# Altium PCB Bran_Main_Assay_PCB_v2_20170726.PcbDoc (part 4 of 5)
Units mil, origin at the board's own origin, x right, y up, seen from the top; angles counter-clockwise.
Board outline 3608.46 x 1899.79 mil, 6 copper layers (TOP, GND1, Singal, POWER, GND2, BOTTOM), stack 31.508 mil thick; 365 components, 289 nets, 1399 pads, 974 vias.
Unrouted connection lines stored in the file: 1.
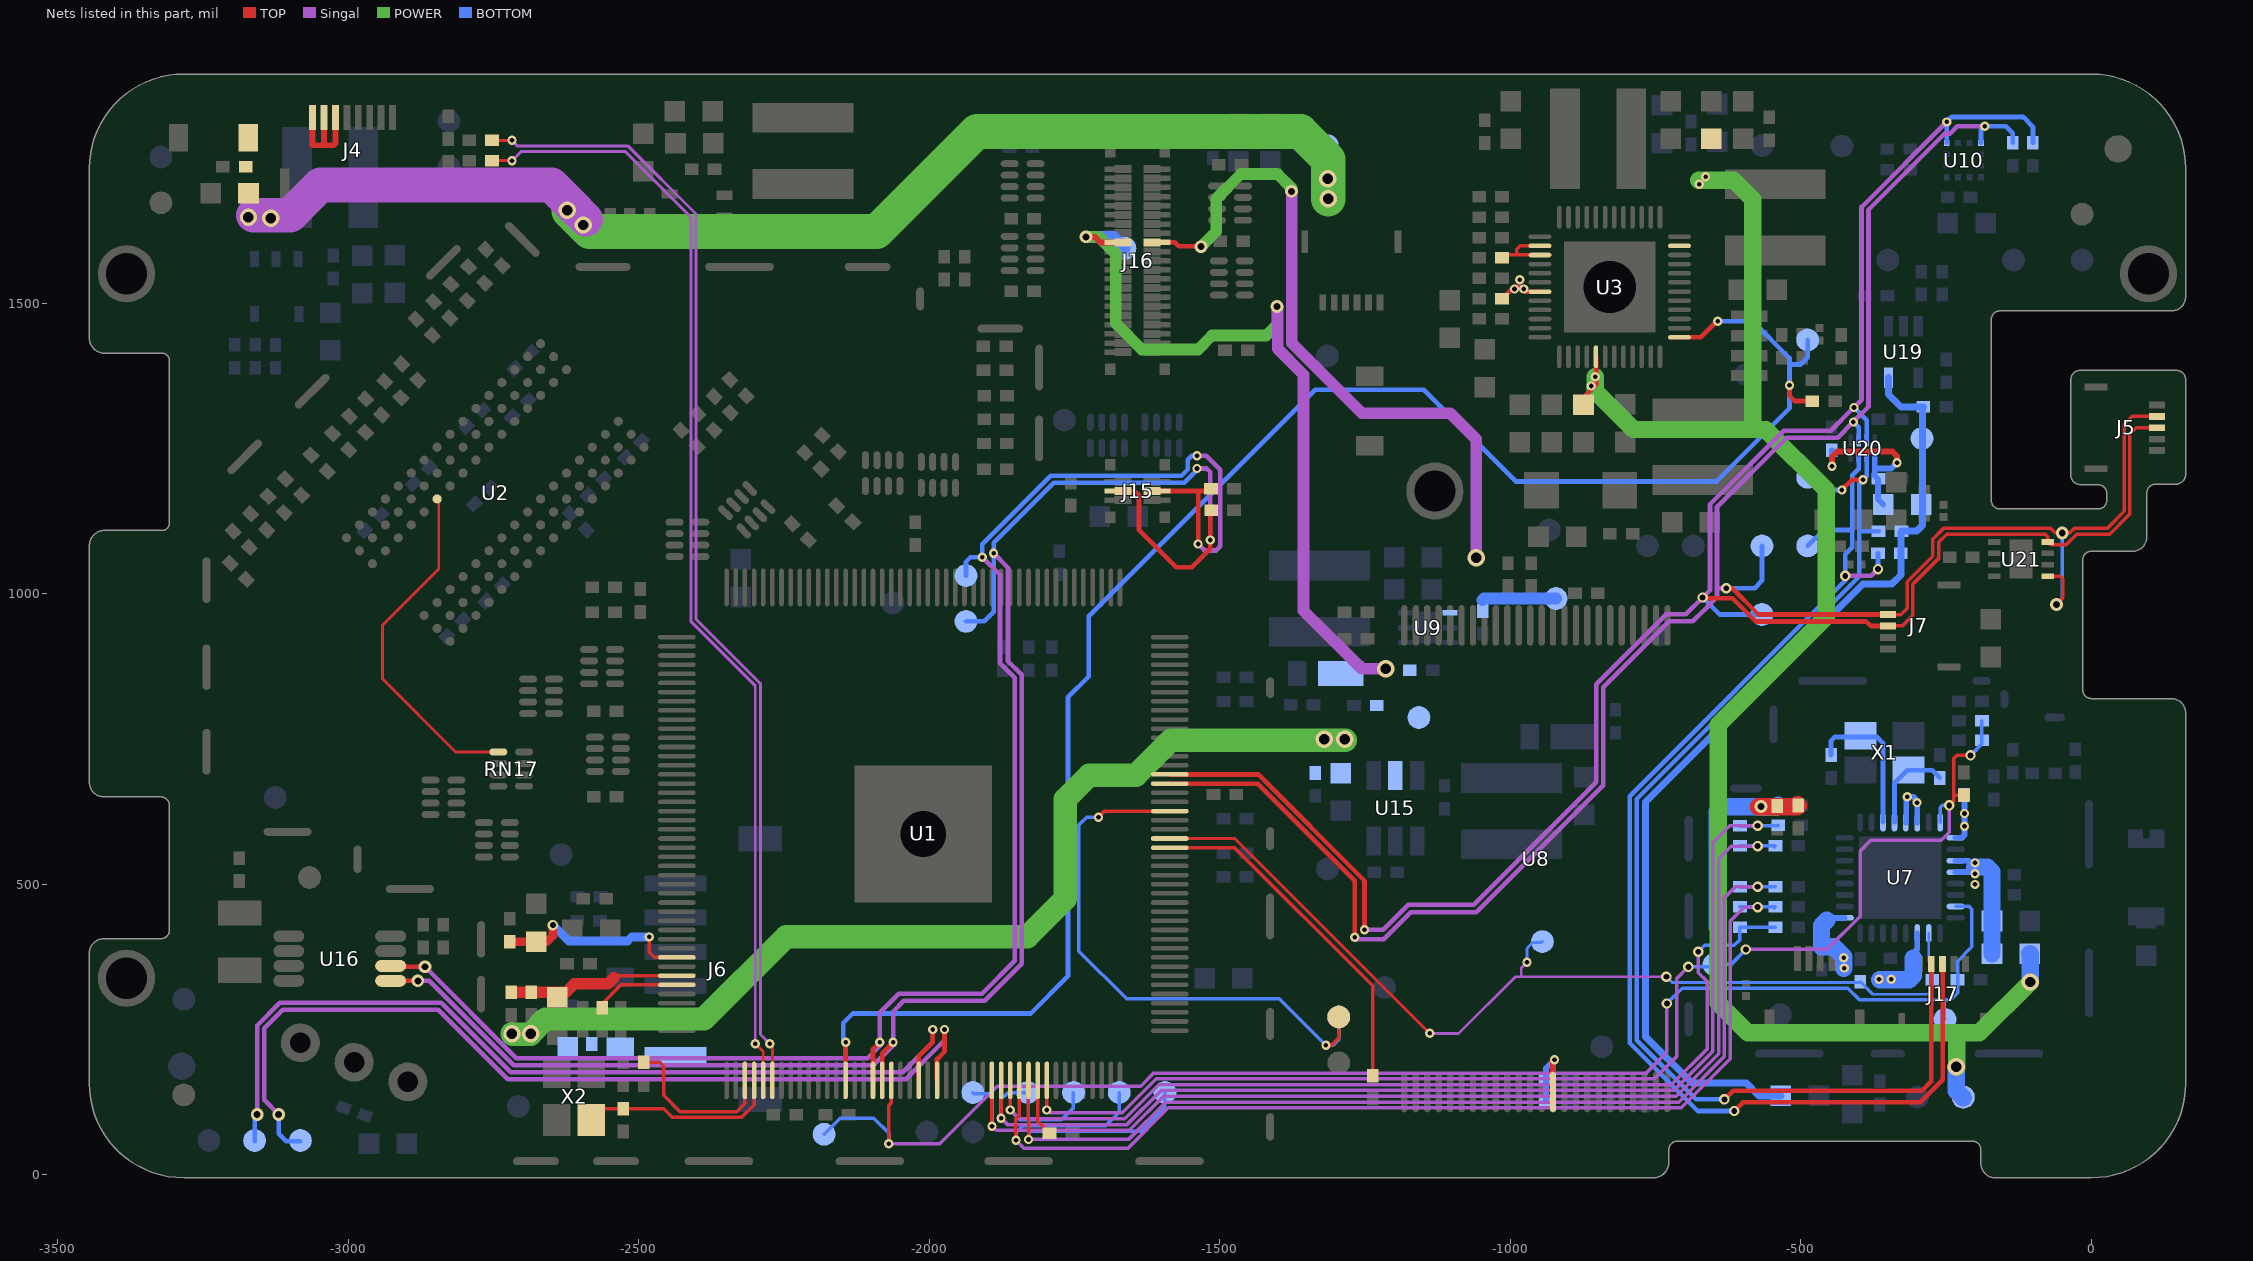
[diagram p8: the nets of this part, all layers, seen from the top]

## Via types
v1: diameter 16, hole 8, TOP to BOTTOM, tented both sides, 429 vias
v2: diameter 18, hole 10, TOP to BOTTOM, tented both sides, 255 vias
v3: diameter 22, hole 12, TOP to BOTTOM, tented both sides, 197 vias
v4: diameter 30, hole 18, TOP to BOTTOM, tented both sides, 69 vias
v5: diameter 24, hole 13, TOP to BOTTOM, tented both sides, 11 vias
v6: diameter 19.68, hole 7.87, TOP to BOTTOM, 9 vias
v7: diameter 22, hole 2, TOP to BOTTOM, tented both sides, 2 vias
v8: diameter 20, hole 10, TOP to BOTTOM, tented both sides, 1 vias
v9: diameter 17.99, hole 10, TOP to BOTTOM, tented both sides, 1 vias

## Nets (pads, with @x,y where several pads share a name; then routed paths per layer and width w, separated by ;. In a path a pad name is that pad's centre, name@x,y a point inside that pad or via, vN(x,y) a via of type N, cw(c..) or ccw(c..) an arc to the next point about the centre after c; other vN are vias at no path point) (continued)
TWI0-SDA: R7.2 TP6.1 U1.102 U3.1 | length 3082.6
  TOP w5: v1@-2144.29,228.03 v1(-2144.02,228.31)
  TOP w8: U1.102@-2144.29,162.71 v1@-2144.29,228.03 ; U3.1@-708.94,1441.69 -671.96,1441.69 -644.48,1469.17 v1(-643.16,1469.17) ; v1(-519.46,1359) -519.46,1341 -510.46,1332 R7.2@-480.15,1332 R7.2@-479.15,1332
  BOTTOM w8: v1(-2144.02,228.31) -2148.45,232.74 -2148.45,261.49 -2132.13,277.81 -1825.5,277.81 -1761.45,341.86 -1761.45,821.83 -1725.45,857.83 -1725.45,961.92 -1335.87,1351.5 -1148.81,1351.5 -990.94,1193.64 -645.15,1193.64 -519.46,1319.32 v1(-519.46,1359) -519.46,1395 ; v1(-643.16,1469.17) -582.63,1469.17 -519.46,1406 -519.46,1395 ; TP6.1@-488.19,1437.01 -488.19,1407.28 -500.46,1395 -519.46,1395
TWI1-SCK: J15.3 R6.2 TP28.1 U1.105 U16.6 | length 2972.4
  TOP w8: U16.6@-2927.25,359.83 U16.6@-2927.42,359.66 -2926.04,358.28 v3(-2868.18,358.28) ; U1.105@-2097.04,162.71 -2097.04,216.72 v1(-2085.45,228.31) ; J15.3@-1616.73,1177.17 J15.3@-1593.5,1177.17 -1518.71,1177.17 R6.2@-1515.13,1180.74 ; v1(-1537.45,1085.83) -1537.45,1176.17
  Singal w8: v3(-2868.18,358.28) -2710.73,200.83 -2106.45,200.83 -2085.45,221.83 v1(-2085.45,228.31) -2085.45,278.83 -2052.45,311.83 -1909.46,311.83 -1853.02,368.28 -1853.02,855.55 -1878.45,880.98 -1878.45,1032.74 v1(-1909.02,1063.31) ; v1(-1539.45,1237.83) -1523.45,1237.83 -1499.45,1213.83 -1499.45,1081.83 -1506.45,1074.83 -1526.45,1074.83 v1(-1537.45,1085.83)
  BOTTOM w8: TP28.1@-1937.01,1031.5 -1937.01,1055.46 -1929.16,1063.31 v1(-1909.02,1063.31) -1909.02,1085.42 -1790.85,1203.58 -1566.06,1203.58 -1555.45,1214.2 -1555.45,1230.83 -1548.45,1237.83 v1(-1539.45,1237.83)
TWI1-SDA: J15.4 R5.2 TP29.1 U1.106 U16.5 | length 3120.9
  TOP w5: J15.4@-1689.96,1177.17 J15.4@-1666.73,1177.17
  TOP w8: U16.5@-2925.89,335.59 U16.5@-2927.42,334.07 -2927.35,334 v3(-2880.46,334) ; U1.106@-2081.3,162.71 -2081.3,209.46 v1(-2062.45,228.31) ; J15.4@-1666.73,1177.17 -1646.36,1177.17 -1639.1,1169.91 -1639.1,1109.8 -1575.3,1045.99 -1548.07,1045.99 -1516.45,1077.61 v1(-1516.45,1092.83) -1516.45,1143.99 -1516.45,1146.43 R5.2@-1516.13,1146.74
  Singal w8: v3(-2880.46,334) -2860.87,334 -2715.7,188.83 -2096.45,188.83 -2062.45,222.83 v1(-2062.45,228.31) -2062.45,281.31 -2043.93,299.83 -1904.49,299.83 -1841.02,363.31 -1841.02,860.52 -1864.65,884.15 -1864.65,1045.02 v1(-1889.45,1069.83) ; v1(-1539.45,1215.83) -1522.45,1215.83 -1516.45,1209.83 v1(-1516.45,1092.83)
  BOTTOM w8: TP29.1@-1937.01,952.76 -1905.71,952.76 -1889.45,969.02 v1(-1889.45,1069.83) -1889.45,1088.02 -1785.88,1191.58 -1561.09,1191.58 -1539.45,1213.23 v1(-1539.45,1215.83)
TWI2-SCK: J5.3 J7.3 R4.2 TP35.1 U1.161 U10.1 U20.7 U21.4 | length 3948.1
  TOP w6: J7.3@-349.59,944.89 -325.37,944.89 -307,963.25 -307,1017 -263,1061 -263,1089 -249,1103 -79,1103 -74.74,1098.74 U21.4@-74.74,1089.53 -70.21,1085 -43,1085 -25,1103 31.68,1103 66.54,1137.86 66.54,1275 77.54,1286 J5.3@112.7,1286
  TOP w8: U1.161@-1586.22,689.28 -1433.69,689.28 -1251.02,506.61 v1(-1251.02,421.83) ; v2(-669.02,993.83) -667.52,992.33 -617.63,992.33 -577.87,952.57 -387.13,952.57 -379.45,944.89 J7.3@-349.59,944.89
  Singal w8: v1(-1251.02,421.83) -1219.04,421.83 -1176.05,464.83 -1062.98,464.83 -852.02,675.79 -852.02,844.42 -731.44,965 -697.85,965 v2(-669.02,993.83) -656.35,1006.51 -656.35,1154.12 -529.64,1280.83 -448.64,1280.83 v1(-408.46,1321) -395.46,1334 -395.46,1666 v1(-248.98,1812.49)
  BOTTOM w8: v2(-669.02,993.83) -639.75,964.57 TP35.1@-566.93,964.57 ; v1(-408.46,1321) -386.57,1299.11 U20.7@-386.57,1264.19 ; U10.1@-248.98,1776.35 v1(-248.98,1812.49) -240.46,1821 -117.45,1821 -100.45,1804 R4.2@-100.45,1776.51
TWI2-SDA: J5.2 J7.4 R3.2 TP36.1 U1.160 U10.4 U20.6 U21.1 | length 4410.2
  TOP w6: J7.4@-349.59,964.57 -349.02,964 -328,964 -317,975 -317,1021.14 -273,1065.14 -273,1094 -253.54,1113.46 -70.46,1113.46 -62,1105 v3(-50,1105) -37.14,1105 -28.68,1113.46 28,1113.46 56.54,1142 56.54,1292 70.22,1305.69 J5.2@112.7,1305.69 ; U21.1@-74.74,1030.47 -53.47,1030.47 -49,1026 -49,993 v3(-60,982)
  TOP w8: U1.160@-1586.22,673.53 -1434.91,673.53 -1268.02,506.64 v1(-1268.02,408.83) ; v2(-628.45,1009.83) -618.15,1009.83 -572.89,964.57 J7.4@-349.59,964.57
  Singal w5: -1057.91,450.8 -839.02,669.7 -839.02,690.26
  Singal w8: v1(-1268.02,408.83) -1265.02,405.83 -1218.07,405.83 -1171.6,452.3 -1058.53,452.3 -840.02,670.82 -840.02,839.45 -726.46,953 -685.81,953 -666.45,972.36 ; -654.22,984.59 -666.45,972.36 ; v2(-628.45,1009.83) -644.35,1009.83 ; v1(-183.46,1805) -230.46,1805 -242.96,1792.5 -251.99,1792.5 -383.46,1661.03 -383.46,1322 v1(-409.46,1296) -436.64,1268.83 -524.64,1268.83 -644.35,1149.12 -644.35,1009.83 ; -666.45,972.36 -666.45,971.83 -644.35,993.94 -644.35,1009.83
  BOTTOM w6: v3(-60,982) -50,992 v3(-50,1105)
  BOTTOM w8: v2(-628.45,1009.83) -579.64,1009.83 -566.93,1022.54 TP36.1@-566.93,1082.68 ; v1(-409.46,1296) -400.35,1286.89 U20.6@-400.35,1264.19 ; U10.4@-189.92,1776.35 -189.92,1799 -183.92,1805 v1(-183.46,1805) -147.46,1805 -135.45,1792.98 R3.2@-135.45,1776.51
UART0_RX: TP55.1 U1.112 | length 1607
  TOP w8: U1.112@-1986.81,162.71 -1986.81,199.38 -1974.02,212.17 v1(-1974.02,250.31)
  Singal w8: v3(-3119.94,103.99) -3144.94,128.99 -3144.94,252.2 -3112.84,284.31 -2845.12,284.31 -2725.64,164.83 -2041.02,164.83 -1974.02,231.83 v1(-1974.02,250.31)
  BOTTOM w8: v3(-3119.94,103.99) -3119.94,70.99 -3107.11,58.16 TP55.1@-3082.68,58.16
UART0_TX: TP54.1 U1.110 | length 1570.2
  TOP w8: U1.110@-2018.3,162.71 -2018.3,204.02 -1994.02,228.31 v1(-1994.02,250.31)
  Singal w8: v3(-3156.94,103.99) -3156.94,257.17 -3117.81,296.31 -2840.15,296.31 -2720.67,176.83 -2045.99,176.83 -1994.02,228.81 v1(-1994.02,250.31)
  BOTTOM w8: TP54.1@-3161.42,58.16 TP54.1@-3161.42,59.06 -3161.42,99.52 v3(-3156.94,103.99)
UBOOT: TP3.1 TP57.1 U1.157 | length 994.5
  TOP w6: v1(-1709.02,615.83) -1698.55,626.29 U1.157@-1586.22,626.29 ; -1308.32,222.64 -1295.28,235.69 TP3.1@-1295.28,271.65
  BOTTOM w6: v1(-1709.02,615.83) -1729.02,615.83 -1742.65,602.2 -1742.65,385.18 -1660.46,303 -1397.46,303 v1(-1317.46,223) -1304.94,223 -1295.28,232.66 TP57.1@-1295.28,270.76
USB0-DM: R157.2 U1.93 | length 1933.3
  TOP w5: R157.2@-2752.76,1745.74 v1(-2718.45,1745.74) ; v1(-2299.65,225.83) -2286.02,212.2 U1.93@-2286.02,162.71
  Singal w5: v1(-2718.45,1745.74) -2702.45,1761.74 -2523.45,1761.74 -2410.65,1648.94 -2410.65,952.83 -2299.65,841.83 v1(-2299.65,225.83)
USB0-DP: R158.2 U1.94 | length 1949.3
  TOP w5: R158.2@-2752.76,1780.74 v1(-2718.45,1780.74) ; v1(-2274.65,225.83) -2270.27,221.45 U1.94@-2270.27,162.71
  Singal w5: v1(-2718.45,1780.74) -2708.45,1770.74 -2518.45,1770.74 -2401.65,1653.94 -2401.65,956.55 -2290.65,845.55 -2290.65,241.83 v1(-2274.65,225.83)
USB0-IDET: R99.1 U1.153 | length 602.7
  TOP w6: U1.153@-1586.22,563.3 -1474.77,563.3 -1237.02,325.55 R99.1@-1237.02,170.52
USBVBUS: C145.2 C146.2 D6.1 J4.1 J4.2 J4.3 R15.1 TP33.1 U3.31 | length 2354.7
  TOP w8: R15.1@-1014.33,1508.31 -995.3,1527.34 -994.33,1528.31 -992.94,1528.31 -981.89,1528.31 -981.89,1527.22 -978.3,1523.63 -975.1,1520.43 U3.31@-949.09,1520.43
  TOP w10: J4.1@-3061.73,1820.08 -3061.73,1772.46 -3025.73,1772.46 -3022.36,1775.83 J4.3@-3022.36,1820.08 ; -3042.05,1774.14 J4.2@-3042.05,1820.08
  Singal w60: v4@-3163.45,1651.74 -3133.45,1651.74 -3100.46,1651.74 -3048.46,1703.74 -2650.2,1703.74 -2615.06,1668.59 v4@-2591.46,1645
  POWER w60: v4@-2620.46,1659 -2595.96,1634.5 -2585.2,1623.74 -2090.72,1623.74 -1918.46,1796 -1361.47,1796 -1313.46,1747.99 -1313.46,1715 v4(-1313.46,1680)
  other v1: -992.94,1524.99 -976.94,1524.99 -983.94,1540.99
  other v4: -2595.46,1635 -3133.45,1646.83 -3172.02,1648.31 -2623.08,1660.56 -1313.98,1715
VCC-5V: C158.2 C159.1 C226.1 C228.1 D14.1 J6.1 R189.2 TP34.1 U15.5 | length 1744.1
  POWER w40: v4(-2718.46,243) -2717.46,242 v4@-2686.46,242 ; v4(-2686.46,243) -2660.96,268.5 -2387.96,268.5 -2246.46,410 -1831.29,410 -1766.02,475.28 -1766.02,646.56 -1724.75,687.83 -1644.46,687.83 -1584.3,747.99 -1320.3,747.99 -1285.3,747.99 v4@-1284.3,747.99
  other v4: -1320.3,749.99 -1285.3,749.99
VCC-WIFI-3V3: C174.1 C175.1 C176.1 C243.2 C246.1 C247.1 C250.1 R176.2 R179.1 R200.1 R201.1 R204.2 R205.2 R206.2 R207.2 R208.2 U7.1 U7.3 U7.4 U7.11 U7.17 U7.29 U7.30 | length 1106.8
  TOP w30: v3@-572.94,633.99 -568.5,633.99 -540.54,633.99 -506.16,633.99 R201.1@-504.46,635.68 R201.1@-505.78,637
  BOTTOM w10: -455.46,438 -451.06,442.41 U7.17@-424.49,442.41 ; U7.29@-319.17,606.78 -318.45,607.5 -318.45,650.74 -317.02,650.74 -306.45,650.74 -299.49,643.78 -299.49,640.83 U7.30@-299.49,606.78 ; C246.1@-313.15,371.37 -314.78,373 -310.7,377.08 -299.49,388.29 U7.11@-299.49,415.83 ; U7.4@-233.54,521.15 -209.31,521.15 -206.14,524.33 -200.46,530 -203.88,533.41 -211.3,540.83 U7.3@-233.54,540.83 ; U7.1@-233.54,580.2 -223.26,580.2 -218.3,585.17 -218.46,585.33 -218.46,599.99 -218.46,621.99 C175.1@-218.46,654.32
  BOTTOM w30: R208.2@-644.16,426.31 R207.2@-644.16,461.31 R179.1@-644.15,496.31 R206.2@-644.16,566.31 R205.2@-644.16,601.31 -644.16,625.31 -635.91,633.56 -568.5,633.56 -541.2,633.56 R204.2@-538.59,636.17 ; -455.46,438 -464.46,429 C250.1@-464.46,392.68 -443.3,392.68 -426.31,375.69 v1(-426.3,373.99) v1@-426.31,355.99 ; v1@-364.46,336 -344.46,336 R200.1@-313.15,336 -306.61,342.54 C246.1@-306.61,372.99 ; v1@-200.46,530 -200.3,530 -179.46,530 -170.96,521.5 -170.96,517 -170.96,482 C174.1@-170.96,437 R176.2@-170.96,381
  other v1: -365.46,337 -344.46,337 -425.3,355.99 -200.3,499.99 -200.3,518.49 -200.3,536.99 -218.3,599.99 -218.3,621.99 -300.02,640.83 -317.02,650.83
  other v3: -568.5,634.27
VCCA: C242.1 R195.1 R209.2 U20.1 | length 305.8
  TOP w10: v1(-446.46,1220) -446.46,1236 -437.46,1245 -342.46,1245 -334.46,1237 v1(-334.46,1226)
  BOTTOM w10: v1(-446.46,1220) R209.2@-446.46,1247.31 ; U20.1@-372.8,1237.81 -372.8,1216 ; R195.1@-357.96,1154 -366.96,1163 -366.96,1197.18 -372.8,1203.02 -372.8,1216 ; v1(-334.46,1226) -344.46,1216 -372.8,1216
VINT: C60.1 U3.26 U3.27 | length 119.6
  TOP w6: C60.1@-1014.33,1578.31 -1009.21,1583.43 -989.02,1583.43 ; U3.27@-949.09,1583.43 -989.02,1583.43 ; U3.26@-949.09,1599.17 -983.15,1599.17 -989.02,1593.31 -989.02,1583.43
VLED+: C116.2 D12.1 J16.18 TP25.1 | length 1396.8
  TOP w10: v3(-1730.45,1614.74) -1715.45,1614.74 -1705.83,1605.12 J16.18@-1689.96,1605.12 J16.18@-1666.73,1605.12
  Singal w20: v3(-1401.45,1494.74) -1400.45,1493.74 -1400.45,1422.07 -1355.95,1377.57 -1355.95,971 -1255.95,871 v4(-1214.46,871)
  POWER w20: v3(-1730.45,1614.74) -1708.45,1614.74 -1679.45,1585.74 -1679.45,1465.74 -1634.45,1420.74 -1537.45,1420.74 -1513.45,1444.74 -1420.45,1444.74 -1401.45,1463.74 v3(-1401.45,1494.74)
  BOTTOM w20: v3(-1730.45,1614.74) -1683.2,1614.74 TP25.1@-1663.46,1595
VLED-: J16.17 R50.2 TP27.1 U9.1 | length 1325.9
  TOP w8: J16.17@-1616.73,1605.12 J16.17@-1593.5,1605.12 -1577.55,1605.12 -1570.67,1598.24 -1532.95,1598.24 v3(-1532.45,1597.74)
  Singal w20: v3(-1376.46,1693) -1376.45,1432.02 -1255.43,1311 -1103.46,1311 -1058.46,1266 v4(-1058.46,1062) v4@-1058.46,1060
  POWER w20: v3(-1532.45,1597.74) -1506.45,1623.74 -1506.45,1680.02 -1463.72,1722.74 -1400.69,1722.74 -1376.46,1698.51 v3(-1376.46,1693)
  BOTTOM w20: -1048.46,989 -1045.34,992.13 TP27.1@-921.26,992.13
VOC_1V8: C236.1 R195.2 R196.1 R197.1 R198.2 TP46.1 U19.5 | length 1698.2
  BOTTOM w12: R198.2@-534.44,135.99 -571.94,135.99 -593.95,158 -687.68,158 -767.46,237.79 -767.46,642.2 -392.67,1017 -343.46,1017 -327.78,1032.68 R197.1@-327.78,1070 R196.1@-327.78,1107 ; U19.5@-349.06,1372.32 -349.06,1343.59 -327.46,1322 C236.1@-289.15,1322 -291.31,1319.84 -290.96,1319.5 -290.96,1267.72 -290.96,1154 -290.96,1117.5 -300.46,1108 R196.1@-326.78,1108
VOC_SCL: J17.2 R196.2 TP47.1 U20.2 | length 2077.8
  TOP w8: v2(-631.46,130) -616.46,145 -291.46,145 -275.59,160.87 J17.2@-275.59,363.19 ; v1(-429.3,1178.99) -411.85,1196.44 v1(-393.02,1196.44)
  BOTTOM w8: v2(-631.46,130) -680.46,130 -782.46,232 -782.46,647 -399.46,1030 -399.46,1190 v1(-393.02,1196.44) -386.57,1202.89 U20.2@-386.57,1237.81 ; TP47.1@-488.19,1200.79 -466.39,1178.99 v1(-429.3,1178.99) ; -398.46,1108 R196.2@-366.15,1108
VOC_SDA: J17.3 R197.2 TP48.1 U20.3 | length 2160.4
  TOP w8: v2(-614.46,110) -599.46,125 -294.49,125 -255.91,163.59 J17.3@-255.91,363.19
  Singal w8: v2(-423.46,1031) -378.83,1031 v2(-367.15,1042.69)
  BOTTOM w8: v2@-615.46,110 -677.44,110 -794.46,227.03 -794.46,651.97 -423.96,1022.47 -423.96,1031 -423.96,1032.5 v2@-423.46,1033 ; TP48.1@-488.19,1082.68 -460.87,1110 -411.46,1110 ; v2(-423.46,1031) v2@-423.46,1033 ; U20.3@-400.35,1237.81 -400.35,1215.11 -411.46,1204 -411.46,1110 ; v2(-367.15,1042.69) R197.2@-367.15,1070 ; v2@-423.46,1033 -423.46,1068 -411.46,1080 -411.46,1110
VPS: R32.2 R35.1 U8.38 | length 132.7
  TOP w10: U8.38@-926.5,142.68 -926.5,195.83 v1(-924.02,198.31)
  BOTTOM w10: R35.1@-938.7,128.31 R32.2@-938.7,163.31 -938.7,183.62 v1(-924.02,198.31)
VRA1: C1.2 U1.83 | length 152.2
  TOP w6: C1.2@-2565.65,285.51 -2565.65,287.68 -2565.65,292.29 -2530.85,327.08 U1.83@-2434.64,327.08
VRA2: C4.2 C5.2 R1.2 U1.82 | length 315.8
  TOP w6: -2542.96,339.01 -2539.14,342.83 U1.82@-2434.64,342.83
  TOP w20: R1.2@-2719.94,314.41 -2685.31,314.41 -2640.78,314.41 C4.2@-2625.53,314.41 ; C4.2@-2640.78,306.13 -2633.8,306.13 C4.2@-2625.53,314.41 ; -2542.96,339.01 -2552.98,328.99 -2610.94,328.99 C4.2@-2625.53,314.41
VRP: C2.2 C3.2 U1.80 | length 354.7
  TOP w6: v1(-2482.02,409.63) -2482.43,409.22 -2482.43,383.31 -2473.44,374.32 U1.80@-2434.64,374.32
  TOP w15: C3.2@-2721.94,401.31 -2676.94,401.31 -2658.63,401.31 -2647.94,411.99 v2(-2647.94,429.99)
  BOTTOM w15: v2(-2647.94,429.99) -2620.5,402.54 -2519.5,402.54 -2512.41,409.63 v1(-2482.02,409.63)
WE: RN17.1 U2.L3 | length 602.4
  TOP w5: U2.L3@-2847.28,1163.41 -2844.43,1160.56 -2844.43,1042.92 -2941.43,945.92 -2941.43,853.91 -2815.55,728.03 RN17.1@-2742.03,728.03
WI-FI_EN: R180.1 TP44.1 TP87.1 U1.107 U7.7 | length 2496.4
  TOP w6: v1(-2070.02,53.83) -2070.02,119.37 -2065.55,123.83 U1.107@-2065.55,162.71
  Singal w6: v1(-2070.02,53.83) -1982.14,53.83 -1883.14,152.83 -1636.11,152.83 -1613.62,175.33 -766.14,175.33 -730.46,211 v2(-730.46,295)
  BOTTOM w6: TP87.1@-2181.1,69.97 -2153.53,97.54 -2095.49,97.54 -2070.02,72.06 v1(-2070.02,53.83) v1@-2070.02,51.74 ; v2(-730.46,295) -703.96,321.5 -418.96,321.5 -398.96,301.5 -253.46,301.5 ; TP44.1@-252.46,256.4 TP44.1@-251.97,255.91 ; TP44.1@-251.97,267.72 -253.46,269.21 -253.46,301.5 ; U7.7@-233.54,462.09 -210.56,462.09 -205.46,457 -205.46,392.68 -230.15,367.99 R180.1@-230.15,336 -230.15,313.32 -241.96,301.5 -253.46,301.5
WIFI_3V3: C63.2 C69.2 R176.1 TP51.1 U3.11 U3.41 | length 2810.8
  TOP w8: C63.2@-874.02,1325.81 -874.02,1338.31 -857.64,1354.68 -852.39,1359.94 -852.39,1373.99 -852.39,1407.98 U3.41@-852.64,1408.23
  POWER w30: v1(-853.94,1373.99) -853.94,1357.99 -853.94,1348.99 -787.95,1283 -577.46,1283 ; v1@-675.76,1711.81 -674.94,1711.81 -663.94,1711.81 -615.27,1711.81 -582.46,1679 -582.46,1288 -577.46,1283 ; v4@-231.94,184.99 -231.94,186 -231.94,244.83 ; v4(-105.46,332) -192.64,244.83 -231.94,244.83 ; -577.46,1283 -560.46,1283 -456.46,1179 -456.46,961 -642.46,775 -642.46,295.82 -591.48,244.83 -231.94,244.83
  BOTTOM w30: v4(-232.46,186) -232.46,144.95 -220.92,133.41 TP51.1@-220.47,132.96 ; R176.1@-105.96,381 -105.46,380.5 v4(-105.46,332)
  other v1: -860.94,1357.99 -674.94,1704.99 -663.94,1717.99
WL-RESTN: C244.2 C245.1 R202.1 TP45.1 U1.124 U7.32 | length 2242.4
  TOP w6: v1(-1797.83,111.73) U1.124@-1797.83,162.71 ; v2(-244.46,636) -237.15,643.31 -237.15,653.31 ; C244.2@-219.46,653.31 -237.15,653.31 ; v2(-207.94,721.99) -231.47,721.99 -237.15,716.31 -237.15,653.31
  Singal w6: v1(-1797.83,111.73) -1792.83,106.73 -1668.07,106.73 -1609.48,165.33 -751.94,165.33 -713.94,203.33 -713.94,337.52 v2(-693.46,358) ; v2(-594.46,388) -455.29,388 -397.96,445.33 -397.96,557.5 -379.46,576 -258.46,576 -244.46,590 v2(-244.46,636)
  BOTTOM w6: v2@-695.46,358 v2(-693.46,358) -653.81,358 TP45.1@-649.61,362.2 -620.26,362.2 v2(-594.46,388) ; U7.32@-260.12,606.78 -260.12,632.35 -256.46,636 v2(-244.46,636) ; v2(-207.94,721.99) -188.26,741.68 C245.1@-188.26,747.99 R202.1@-188.26,781.99
WL-SDIO-CLK: R171.1 U1.123 | length 99.2
  TOP w6: U1.123@-1813.58,162.71 -1813.58,92.43 R171.1@-1793.15,72
WL-SDIO-CMD: R170.1 R179.2 TP42.1 U1.122 | length 2053.4
  TOP w6: v1@-1832.83,64.5 v1(-1829.33,61) ; v1@-1829.33,59.86 v1(-1829.33,61) ; U1.122@-1829.33,162.71 -1829.46,162.58 -1829.46,93.86 -1829.33,93.73 v1(-1829.33,61)
  Singal w6: v1(-1829.33,61) -1657.24,61 -1592.91,125.33 -710.28,125.33 -631.46,204.14 -631.46,477 -612.46,496 v2(-574.46,496)
  BOTTOM w6: v1(-1829.33,61) -1829.33,71.14 -1825.46,75 -1635.46,75 -1594.8,115.66 -1594.49,115.66 TP42.1@-1594.49,141.73 ; R179.2@-604.78,496.31 -574.46,496.31 R170.1@-543.7,496.31
WL-SDIO-D0: R172.1 R206.1 TP41.1 U1.118 | length 1949.3
  TOP w6: v1(-1892.32,83.73) U1.118@-1892.32,162.71
  Singal w6: v1(-1892.32,83.73) -1885.32,76.73 -1655.65,76.73 -1597.05,135.33 -714.42,135.33 -641.46,208.28 -641.46,544 -619.46,566 v2(-574.46,566)
  BOTTOM w6: TP41.1@-1925.2,141.73 -1923.46,140 -1899.46,140 -1892.32,132.85 v1(-1892.32,83.73) ; R206.1@-604.79,566.31 -574.46,566.31 R172.1@-543.7,566.31 R172.1@-546.18,563.83
WL-SDIO-D1: R173.1 R205.1 TP40.1 U1.119 | length 1952.7
  TOP w6: v1@-1876.57,93.85 v1(-1876.57,97.73) U1.119@-1876.57,162.71
  Singal w6: v1(-1876.57,97.73) -1865.57,86.73 -1659.79,86.73 -1601.2,145.33 -718.56,145.33 -651.46,212.43 -651.46,572 -622.46,601 v2(-574.46,601) v2@-573.46,601
  BOTTOM w6: v1@-1879.02,100.18 v1(-1876.57,97.73) -1876.57,129.9 -1864.73,141.73 TP40.1@-1830.71,141.73 ; R205.1@-604.79,601.31 -574.46,601.31 -539,601.31 R173.1@-538.77,601.54
WL-SDIO-D2: R168.1 R208.1 TP39.1 U1.120 | length 1793.2
  TOP w6: v1(-1860.82,111.73) U1.120@-1860.82,162.71
  Singal w6: v1(-1860.82,111.73) -1845.82,96.73 -1663.93,96.73 -1605.34,155.33 -722.71,155.33 -661.46,216.57 -661.46,332.99 -676.46,347.99 v2(-676.46,384)
  BOTTOM w6: v1(-1860.82,111.73) -1844.09,95 -1772.63,95 -1751.97,115.66 TP39.1@-1751.97,141.73 ; v2(-676.46,384) -665.46,395 -614.46,395 -604.79,404.68 R208.1@-604.79,426.31 R168.1@-543.7,426.31
WL-SDIO-D3: R169.1 R207.1 TP38.1 U1.121 | length 2002.4
  TOP w5: U1.121@-1845.08,162.71 U1.121@-1844.95,162.58
  TOP w6: v1(-1851.02,59.83) -1851.02,96.93 -1844.95,103 U1.121@-1844.95,162.58
  Singal w6: v1(-1851.02,59.83) -1837.18,46 -1658.1,46 -1588.77,115.33 -706.14,115.33 -621.46,200 -621.46,437 -597.46,461 v2(-574.46,461)
  BOTTOM w6: v1(-1851.02,59.83) -1851.02,72.45 -1838.46,85 -1696.46,85 -1672.46,109 -1673.23,109.76 TP38.1@-1673.23,141.73 ; R207.1@-604.79,461.31 -574.46,461.31 R169.1@-543.7,461.31 R169.1@-546.18,458.83
WL-WAKE-UP: R200.2 R203.1 TP37.1 U1.154 U7.10 | length 1692
  TOP w5: U1.154@-1586.22,579.05 -1474.25,579.05 v1(-1138.83,243.63)
  Singal w5: v1@-1138.54,243.33 -1089.02,243.33 -991.36,341 -981.3,341 ; v1(-971.3,365.99) -981.3,355.99 -981.3,341 ; v2(-731.46,341) -981.3,341
  BOTTOM w5: v1(-971.3,365.99) -971.3,389.99 -961.3,399.99 -946.46,399.99 TP37.1@-944.88,401.57 ; v2(-731.46,341) -721.46,331 -398.78,331 R203.1@-397.46,332.32 -376.15,311 -281.78,311 -273.78,319 R200.2@-273.78,336 -273.78,363.31 -279.8,369.34 U7.10@-279.8,415.83
X24MI: C37.2 U1.92 X2.1 | length 353
  TOP w6: X2.1@-2582.02,94.31 -2582.02,106.83 -2574.85,113.99 C37.2@-2527.02,113.99 -2457.46,113.99 -2442.46,99 -2323.32,99 -2301.77,120.55 U1.92@-2301.77,162.71
X24MO: R9.1 U1.91 | length 284
  TOP w6: R9.1@-2491.46,193.99 -2464.18,193.99 -2457.02,186.83 -2457.02,136.83 -2429.19,109 -2331.46,109 -2317.52,122.95 U1.91@-2317.52,162.71
XTAL_IN: C220.1 U7.28 X1.1 | length 159.7
  BOTTOM w8: U7.28@-338.86,606.78 -338.86,673.98 -316.54,696.31 -314.94,696.31 -273.94,696.31 C220.1@-260.94,683.31
XTAL_OUT: C221.1 U7.27 X1.3 | length 257.7
  BOTTOM w8: C221.1@-447.94,722.68 -447.94,747.39 -441.51,753.83 -397.62,753.83 -369.02,753.83 -358.54,743.35 U7.27@-358.54,606.78
pads on no net: A1.3 J4.9 J4.10 J5.5 J6.3 J6.4 J17.5 M1.4 M1.5 M2.4 M2.5 U1.14 U1.74 U1.77 U1.78 U1.84 U1.85 U1.87 U1.88 U1.89 U1.90 U1.95 U1.96 U1.99 U1.150 U1.155 U2.J1 U2.J9 U2.L1 U2.L9 U2.M7 U3.3 U3.5 U3.18 U3.19 U3.29 U3.30 U7.5 U7.6 U7.8 U7.9 U7.12 U7.13 U7.14 U7.15 U7.25 U8.3 U8.4 U8.5 U8.11 U8.14 U8.15 U8.20 U8.21 U8.22 U8.26 U8.27 U8.28 U8.33 U8.40 U8.45 U8.46 U8.47 U9.2 U21.3 U21.6